# Allegro board rpi-cm4-carrierboard-v1_00-0a.brd (continued)
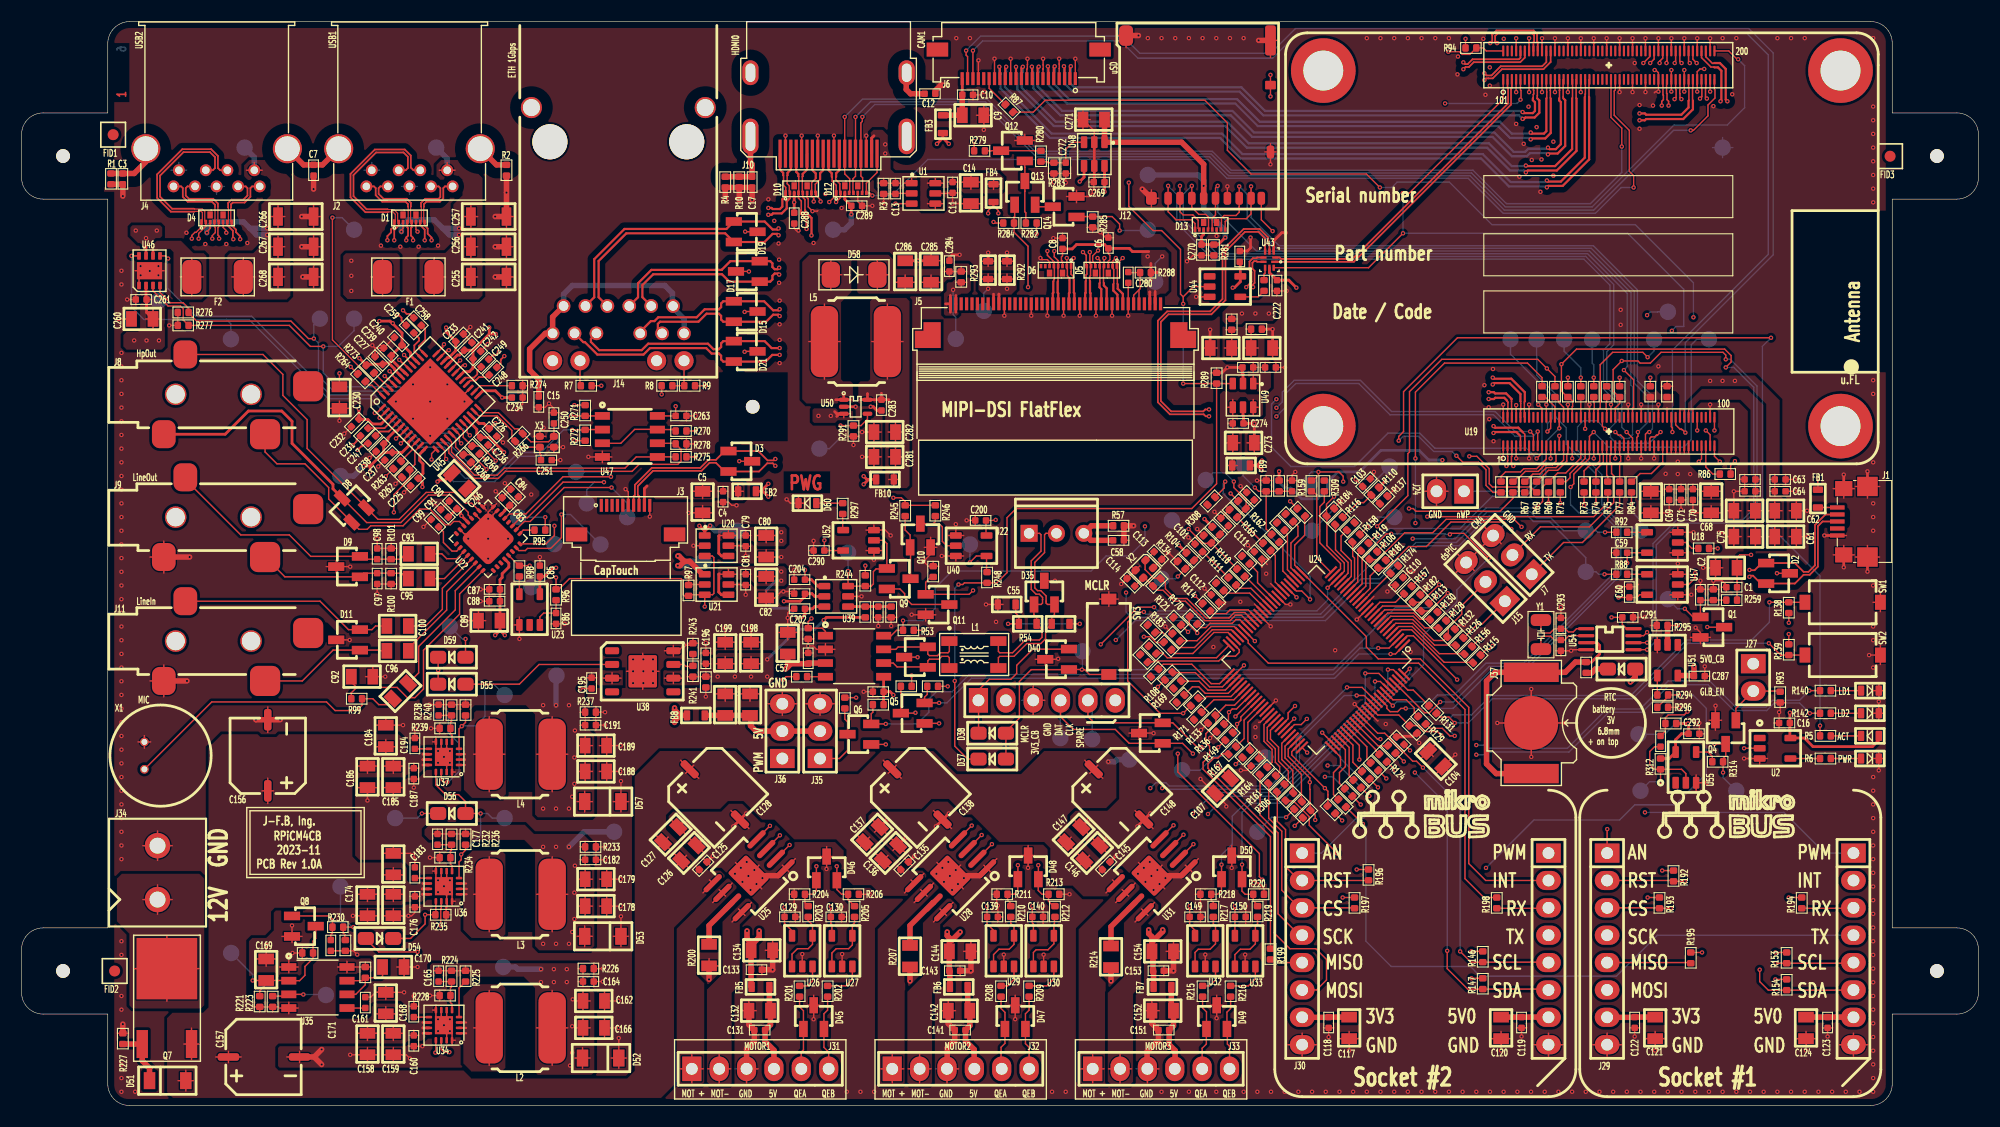
[diagram p0: board, top side]
## Routing (per net, layer and track width the routed paths; a pad name or vN(x,y) marks a point on that pad's centre or on a via; arc(x,y) is an arc through that point) (continued)
  TOP w0.135: v1(154.05,96.75) 153.89,96.91 153.89,97.86 U19.184 ; 74.11,85.96 73.66,85.51 73.66,84.82 73.64,84.8 73.64,84.76 D10.8 73.7,84.5 74.15,84.05 v1(74.15,83.9)
  TOP w0.203: J10.9 74.39,86.81 74.11,86.53 74.11,85.96
  SIG_INNER2 w0.114: v1(154.05,96.75) 154.05,97.15 153.91,97.29 153.91,97.6 153.59,97.92 146.82,97.92 145.15,96.25 145.15,86.15 142.4,83.41 92.36,83.41 90.4,81.45 75.65,81.45 74.31,82.8 74.31,83.4 74.05,83.65 74.05,83.8 v1(74.15,83.9)
HDMI0.D0_P: length 101.2
  TOP w0.135: U19.182 153.5,96.95 153.41,96.86 v1(153.41,96.75) ; v1(73.52,83.9) 73.52,84.21 73.3,84.42 D10.7 73.3,84.94 73.32,84.96 73.32,85.65 73.7,86.03 73.7,86.08
  TOP w0.203: 73.7,86.08 73.7,86.5 73.39,86.81 J10.7
  SIG_INNER2 w0.114: v1(153.41,96.75) 153.41,97.15 153.55,97.29 153.55,97.45 153.44,97.56 146.97,97.56 145.51,96.1 145.51,86.01 142.55,83.05 92.5,83.05 90.55,81.09 75.51,81.09 73.95,82.65 73.95,83.25 73.55,83.65 73.55,83.86 v1(73.52,83.9)
HDMI0.D1_N: length 101.9
  TOP w0.135: U19.178 152.7,96.96 152.65,96.91 v1(152.65,96.75) ; 72.73,83.06 72.73,83.09 72.7,83.12 72.7,84.08 72.5,84.28 D10.5 72.5,84.78 72.46,84.82 72.46,86.19 72.49,86.22 72.49,86.25
  TOP w0.203: 72.49,86.25 72.49,86.46 72.89,86.86 J10.6 ; v1(73.3,80.75) 73.31,80.76 73.31,82.37 73.14,82.54 73.14,82.54 72.73,82.94 72.73,83.06
  SIG_INNER2 w0.114: v1(152.65,96.75) 152.65,96.35 152.5,96.21 152.5,95.5 151.89,94.89 148.4,94.89 147.41,93.9 147.41,85.31 143.75,81.65 93.4,81.65 91.35,79.59 74.85,79.59 73.7,80.75 v1(73.3,80.75)
HDMI0.D1_P: length 101.2
  TOP w0.135: 72.33,83.06 72.33,83.09 72.36,83.12 72.36,83.94 72.1,84.2 D10.4 72.1,84.94 72.12,84.96 72.12,86.2 72.08,86.24 72.08,86.25 ; U19.176 152.3,97.2 152.01,96.91 v1(152.01,96.75)
  TOP w0.203: v1(72.85,81.35) 72.85,82.25 72.33,82.77 72.33,83.06 ; J10.4 71.89,86.65 72.08,86.46 72.08,86.25
  SIG_INNER2 w0.114: v1(152.01,96.75) 152.01,96.35 152.15,96.22 152.15,95.65 151.75,95.25 148.25,95.25 147.05,94.05 147.05,85.45 143.6,82.01 93.26,82.01 91.2,79.95 75,79.95 73.6,81.35 v1(72.85,81.35)
HDMI0.D2_N: length 103.8
  TOP w0.135: 71.08,86.35 71.08,86.32 71.05,86.29 71.05,85.55 71.25,85.35 71.25,84.9 71.3,84.85 D10.2 71.3,84.2 ; v1(151.14,96.75) 151.5,97.11 U19.172
  TOP w0.203: J10.3 71.39,86.86 71.08,86.56 71.08,86.35 ; 71.3,84.2 71.01,83.91 71.01,83.26 70.54,82.79 69.73,82.79 69.6,82.67 v1(69.3,82.67)
  SIG_INNER2 w0.114: v1(69.3,82.67) 69.52,82.67 69.66,82.8 70.15,82.8 70.95,82 73.5,82 75.16,80.34 90.95,80.34 92.95,82.35 143.05,82.35 146.46,85.76 146.46,94.75 147.4,95.69 150.34,95.69 151.14,96.49 v1(151.14,96.75)
HDMI0.D2_P: length 102.5
  TOP w0.135: 70.68,86.35 70.68,86.32 70.71,86.29 70.71,85.41 70.91,85.21 70.91,84.71 D10.1 ; U19.170 151.1,97.35 v1(150.5,96.75)
  TOP w0.203: D10.1 70.9,84.4 70.6,84.1 70.6,83.42 70.38,83.2 69.7,83.2 69.6,83.3 v1(69.3,83.3) ; J10.1 70.39,86.84 70.68,86.56 70.68,86.35
  SIG_INNER2 w0.114: v1(69.3,83.3) 69.57,83.3 69.71,83.16 70.29,83.16 71.09,82.36 73.65,82.36 75.3,80.7 90.8,80.7 92.81,82.71 142.9,82.71 146.1,85.9 146.1,94.9 147.25,96.05 150.2,96.05 150.5,96.35 v1(150.5,96.75)
HDMI0.HPD: length 90.6
  TOP w0.127: J10.19 79.39,86.59 78.4,85.6 D12.8 78.7,84.7 v1(78.95,84.45) ; U19.153 147.9,94.25 147.8,94.15 147.8,91.9 149.2,90.5 149.2,86.7 149.6,86.3 v1(149.6,85.2)
  BOTTOM w0.127: v1(78.95,84.45) 80.75,84.45 84.1,87.8 110.1,87.8 111.85,86.05 134.25,86.05 137.5,82.8 146.05,82.8 148.45,85.2 v1(149.6,85.2)
HDMI0.SCL: length 105.4
  TOP w0.127: v1(77.39,91.75) J10.15 77.39,86.24 77.15,86 77.15,84.75 D12.5 ; v1(159.3,97.1) 159.2,97.1 158.43,97.87 U19.200
  BOTTOM w0.127: v1(77.39,91.75) 78.79,93.15 89.45,93.15 94.3,88.3 110.4,88.3 112.15,86.55 134.55,86.55 137.7,83.4 145.75,83.4 153.35,91 158.3,91 159.9,92.6 159.9,96.5 v1(159.3,97.1)
HDMI0.SDA: length 97.5
  TOP w0.127: D12.7 78.05,84.75 78.05,86.1 77.89,86.26 J10.16 77.89,91.2 78.03,91.33 v1(78.03,91.75) ; U19.199 157.1,94.3 157.15,94.25 157.15,93.5 156.5,92.85 156.5,91.85 155.15,90.5 v1(154.9,90.5)
  BOTTOM w0.127: v1(154.9,90.5) 153.3,90.5 145.9,83.1 137.6,83.1 134.4,86.3 112,86.3 110.25,88.05 94.15,88.05 89.3,92.9 79.17,92.9 v1(78.03,91.75)
HP_GND: length 37.3
  TOP w0.127: U22.4 41.45,54.8 41.45,55.05 39.85,56.65 37.75,56.65 35.2,54.1 32.03,54.1 D8.3
  TOP w0.254: D8.3 28.9,57.23 28.9,57.65 25.1,61.45 25.1,63.5 24.15,64.45 21.05,64.45 18.9,62.3 J8.1
HP_L: length 25.4
  TOP w0.127: U22.6 40.64,54.2 40.1,54.2 39.8,53.9 39.35,53.9 37.9,55.35 36.95,55.35 35.4,53.8 32.4,53.8 32.08,53.48 31.31,53.48 D8.1 28.5,56.29 28.5,57.35 26.3,59.55 23.7,59.55 22.6,60.65 J8.2
HP_R: length 38.1
  TOP w0.127: U22.2 41.77,55.9 41.2,55.9 40.2,56.9 37.55,56.9 35.05,54.4 33.07,54.4 D8.2 26.5,60.97 26.5,63.65 24.25,65.9 24.25,67.85 22.4,69.7 J8.3
I2C0.SCL: length 119.3
  TOP w0.127: v1(153.2,62.5) 153.2,62.89 153.1,62.99 U19.80 ; J6.20 v1(88.29,97.9)
  BOTTOM w0.127: v1(153.2,62.5) 153.2,70.1 162.1,79 162.1,97.5 160.1,99.5 118.4,99.5 116.1,97.2 103.6,97.2 102,98.8 89.19,98.8 v1(88.29,97.9)
I2C0.SDA: length 121.2
  TOP w0.127: U19.82 153.5,63.18 153.9,62.78 154.02,62.78 154.07,62.73 154.12,62.73 v1(154.4,62.45) ; J6.21 87.79,97.35 87.65,97.48 v1(87.65,97.9)
  BOTTOM w0.127: v1(154.4,62.45) 154.4,70.8 162.55,78.95 162.55,97.69 160.29,99.95 118.21,99.95 115.91,97.65 103.79,97.65 102.19,99.25 89,99.25 v1(87.65,97.9)
I2C3.SCL: length 176.8
  TOP w0.127: U54.6 v1(150.85,42.95) ; v1(54.7,58.35) 50.25,58.35 46.8,54.9 45.25,54.9 44.84,54.49 U22.29 ; v1(158.15,68.5) 158.65,69 158.65,69.6 158.05,70.2 144.3,70.2 v1(142.9,68.8) 142.9,66.3 143.45,65.75 R63.2 143.55,65.75 143.94,65.36 143.94,64.89 143.9,64.85 U19.34
  SIG_INNER2 w0.127: v1(142.9,68.8) 142.3,69.4 140.7,69.4 139.95,68.65 139.95,66.15 139.15,65.35 139.15,58.85 138.5,58.2 137.25,58.2 136.3,59.15 126.5,59.15 126.15,59.5 122.4,59.5 118.15,55.25 112.4,55.25 111.6,56.05 109.25,56.05 108.85,55.65 78.45,55.65 75.4,58.7 55.05,58.7 v1(54.7,58.35)
  BOTTOM w0.127: v1(158.15,68.5) 158.9,68.5 160.75,66.65 160.75,55.4 159.7,54.35 153.6,54.35 151.4,52.15 151.4,43.5 v1(150.85,42.95) ; v1(54.7,58.35) 54.25,58.8 TP41.1
I2C3.SDA: length 176.6
  TOP w0.127: U54.5 v1(150.85,42.3) ; U19.54 147.9,64.75 148.3,65.15 R64.2 148.25,65.75 147.7,66.3 147.7,68.3 v1(148.5,69.1) 150,69.1 150.2,68.9 151.15,68.9 152.15,69.9 157.89,69.9 158.15,69.64 v1(158.15,69.25) ; U22.27 45.55,53.8 46.3,54.55 46.95,54.55 50.25,57.85 v1(54.05,57.85)
  SIG_INNER2 w0.127: v1(54.05,57.85) 54.13,57.93 54.87,57.93 55.34,58.4 75.3,58.4 78.35,55.35 108.95,55.35 109.4,55.8 111.45,55.8 112.29,54.96 118.31,54.96 122.6,59.25 125.95,59.25 126.3,58.9 134.55,58.9 134.55,58.9 136.1,58.9 137.05,57.95 138.65,57.95 139.45,58.75 139.45,65.25 140.3,66.1 140.3,68.45 140.9,69.05 141.95,69.05 142.65,68.35 147.75,68.35 v1(148.5,69.1)
  BOTTOM w0.127: TP40.1 52.45,57.15 53.15,57.85 v1(54.05,57.85) ; v1(158.15,69.25) 158.57,69.25 161.05,66.77 161.05,55.28 159.82,54.05 153.72,54.05 151.7,52.03 151.7,43.15 v1(150.85,42.3)
I2S.I2S_COFS: length 122.9
  TOP w0.127: v1(129.35,60.05) 129.35,66.2 132.05,68.9 139.75,68.9 141.1,67.55 R66.2 ; v1(50.1,54.85) 50.1,52.7 49.1,51.7 46.95,51.7 46.75,51.5 46.15,51.5 45.9,51.75 U22.23
  SIG_INNER2 w0.127: v1(50.1,54.85) 50.1,55.1 50.5,55.5 58.95,55.5 59.75,56.3 67,56.3 68.75,54.55 75.6,54.55 76.65,53.5 84.2,53.5 85.55,52.15 89.05,52.15 91.5,49.7 109.1,49.7 112.1,52.7 122.56,52.7 124.21,54.35 128.4,54.35 128.7,54.05 v1(129.35,54.05)
  BOTTOM w0.127: TP45.1 50.94,54.85 v1(50.1,54.85) ; v1(129.35,54.05) v1(129.35,60.05)
I2S.I2S_DIN: length 109.2
  TOP w0.127: R95.2 v1(48.6,54.6) ; U19.27 v1(142.7,62.15)
  SIG_INNER2 w0.127: v1(142.7,62.15) 142.7,61.6 142.6,61.5 142.6,59.5 138.8,55.7 135.65,55.7 135.2,55.25 129.45,55.25 129.15,54.95 123.82,54.95 122.17,53.3 111.82,53.3 108.82,50.3 91.9,50.3 89.35,52.85 86,52.85 84.75,54.1 77.25,54.1 76.05,55.3 69.05,55.3 67.35,57 59.5,57 58.6,56.1 49.55,56.1 48.6,55.15 v1(48.6,54.6)
  BOTTOM w0.127: TP43.1 46.11,54.6 v1(48.6,54.6)
I2S.I2S_DOUT: length 104.5
  TOP w0.127: v1(128.75,55.4) 129.14,55.4 129.39,55.15 137.2,55.15 138.4,56.35 R62.1 ; U22.26 45.9,53.45 46.65,54.2 47.2,54.2 50.35,57.35 v1(54.75,57.35)
  SIG_INNER2 w0.127: v1(128.75,55.4) 127.85,55.4 127.7,55.25 123.65,55.25 122,53.6 111.7,53.6 108.7,50.6 92.1,50.6 89.5,53.2 86.2,53.2 85,54.4 77.55,54.4 76.25,55.7 69.15,55.7 67.5,57.35 59.45,57.35 58.5,56.4 55.2,56.4 54.75,56.85 v1(54.75,57.35)
  BOTTOM w0.127: v1(54.75,57.35) 56.2,55.9 TP42.1
I2S.I2S_SCLK: length 112
  TOP w0.127: v1(49.45,53.8) 49.45,52.9 48.67,52.12 U22.24 ; v1(130.45,54.65) 145.9,54.65 147.2,55.95 R75.1
  SIG_INNER2 w0.127: v1(49.45,53.8) 49.45,55.15 50.1,55.8 58.75,55.8 59.6,56.65 67.2,56.65 68.95,54.9 75.8,54.9 76.9,53.8 84.45,53.8 85.75,52.5 89.2,52.5 91.7,50 108.95,50 111.95,53 122.37,53 124.02,54.65 v1(130.45,54.65)
  BOTTOM w0.127: v1(49.45,53.8) TP44.1
ICSPCLK: length 32.5
  TOP w0.127: U24.77 121.1,34.2 121.1,34.2 v1(120.7,34.6) ; v1(109.5,33.25) 109.1,33.25 106.84,35.51 D39.2 99.54,35.51 98.96,36.09 J28.5
  SIG_INNER2 w0.127: v1(109.5,33.25) 110.3,33.25 112.95,30.6 116.31,30.6 120.31,34.6 v1(120.7,34.6)
  BOTTOM w0.127: TP66.1 99.35,37.21 J28.5
ICSPDAT: length 32
  TOP w0.127: J28.4 96.42,36.08 97.6,34.9 101.5,34.9 102.79,33.61 D39.1 107.74,33.61 v1(108.7,32.65) ; U24.75 v1(119.3,32.75)
  SIG_INNER2 w0.127: v1(108.7,32.65) 109.09,32.65 111.44,30.3 116.45,30.3 118.9,32.75 v1(119.3,32.75)
  BOTTOM w0.127: TP65.1 96.4,37.58 J28.4
JTAG.DSPIC_TDI: length 36.8
  TOP w0.127: v1(131.65,37.45) 130.65,36.45 130.2,36.45 127.49,39.16 U24.97 ; R73.1 v1(145,55.7)
  BOTTOM w0.127: v1(131.65,37.45) 132.9,37.45 136.2,40.75 139.5,40.75 148.15,49.4 148.15,53.85 146.7,55.3 145.4,55.3 v1(145,55.7)
JTAG.RTCK: length 18.6
  TOP w0.127: R74.1 v1(146.1,55.85)
  BOTTOM w0.127: TP2.1 140.6,67.8 142.35,66.05 142.35,63.9 143.35,62.9 143.35,61.35 146.1,58.6 v1(146.1,55.85)
JTAG.TCK: length 64.5
  TOP w0.127: v1(127.25,37.1) 126.32,38.03 U24.93 ; v1(143.75,57.4) 144.05,57.7 144.05,58.6 145.5,60.05 U19.41 145.5,62.1 v1(145.9,62.5)
  BOTTOM w0.127: v1(143.75,57.4) 143.75,55.75 144.5,55 146.6,55 147.9,53.7 147.9,49.55 139.4,41.05 135.9,41.05 132.95,38.1 131.4,38.1 130.75,37.45 127.6,37.45 v1(127.25,37.1) ; TP4.1 155.47,71.12 154.95,70.6 154.95,61.8 154.25,61.1 147.3,61.1 v1(145.9,62.5)
JTAG.TDI: length 4.3
  TOP w0.127: R163.1 v1(117.35,26.75)
  BOTTOM w0.127: v1(117.35,26.75) 116.03,26.75 TP6.1
JTAG.TDO: length 11.8
  TOP w0.127: v1(141.6,62.55) 141.9,62.85 U19.24
  BOTTOM w0.127: TP1.1 138.18,69.72 142.05,65.85 142.05,63.75 141.6,63.3 v1(141.6,62.55)
JTAG.TMS: length 62.7
  TOP w0.127: v1(146.95,62.8) 146.7,63.05 U19.48 ; v1(128.45,36.85) 128,36.85 127.7,36.55 127,36.55 126.7,36.85 126.7,37.09 U24.92
  SIG_INNER2 w0.127: v1(150.85,73.35) 150.25,72.75 150.25,67.85 148.5,66.1 147.55,66.1 146.95,65.5 v1(146.95,62.8)
  BOTTOM w0.127: v1(150.85,73.35) 151.15,73.65 151.82,73.65 151.83,73.66 TP3.1 ; v1(146.95,62.8) 146.2,63.55 144.95,63.55 144.4,63 144.4,60.8 146.65,58.55 146.65,55.75 148.4,54 148.4,49.25 139.55,40.4 136.4,40.4 132.85,36.85 v1(128.45,36.85)
JTAG.TRST: length 11.9
  TOP w0.127: v1(150.9,69.45) 150.45,69.9 147.65,69.9 146.5,68.75 146.5,64.76 146.3,64.56 U19.46
  BOTTOM w0.127: TP5.1 151.5,70.05 v1(150.9,69.45)
L_IN_L: length 12.5
  TOP w0.127: J11.2 26.05,39.4 28.91,42.26 D11.1 33.15,42.26 33.21,42.2 C96.2
L_IN_R: length 19.9
  TOP w0.127: J11.3 27.7,46.8 30.34,44.16 D11.2 32.51,44.16 32.85,44.5 C100.2
L_OUT_L: length 14.4
  TOP w0.127: C95.1 35.75,48.9 35.25,49.4 R100.2 C97.1 31.74,49.4 D9.1 24.44,49.06 J9.2
L_OUT_R: length 24.2
  TOP w0.127: C93.1 35.65,51.2 35.15,50.7 R101.2 C98.1 31.66,50.7 D9.2 26.84,50.96 24.85,52.95 20.35,52.95 15.2,58.1 J9.3
LED1: length 56.4
  TOP w0.127: 117.41,34.64 118.12,35.35 118.75,35.35 v1(119.28,35.88) ; R140.1 v1(165.9,38.5)
  SIG_INNER2 w0.127: v1(135,33.45) 132.9,33.45 132.55,33.8 132.55,34.6 132.15,35 130.35,35 130.2,34.85 126.2,34.85 125.35,35.7 123.3,35.7 122.55,36.45 119.85,36.45 v1(119.28,35.88)
  BOTTOM w0.127: v1(135,33.45) 135.85,33.45 136.15,33.15 143.45,33.15 147.1,36.8 150.2,36.8 152.8,39.4 156.65,39.4 159.1,36.95 161.85,36.95 162.5,37.6 165,37.6 v1(165.9,38.5)
LED2: length 53.2
  TOP w0.127: v1(124.15,32.1) 124.15,33.41 122.93,34.64 ; R142.1 v1(165.95,36.4)
  SIG_INNER2 w0.127: v1(135,32.55) 134.45,33.1 132.7,33.1 132.25,33.55 132.25,34.45 131.95,34.75 130.55,34.75 130.35,34.55 125.8,34.55 124.15,32.9 v1(124.15,32.1)
  BOTTOM w0.127: v1(135,32.55) 135.9,32.55 136.15,32.8 143.59,32.8 147.29,36.5 150.4,36.5 152.94,39.05 156.5,39.05 158.91,36.65 161.95,36.65 162.65,37.35 165,37.35 v1(165.95,36.4)
LED+: length 9.7
  TOP w0.127: 87.2,75.92 R290.1 ; R290.1 87.73,76.4 ; R290.1 86.67,76.4
  TOP w0.254: J5.1 86.2,75.18 ; J5.1 86.2,73.62 ; J5.1 85.75,74.4 ; 86.7,75.18 J5.2 86.7,73.62
  BOTTOM w0.127: TP13.1 86.7,73.15 86.45,73.4 v1(86.45,75.7)
LED-: length 10.8
  TOP w0.127: R292.1 91.45,77.18 ; R292.1 90.8,76.7 ; R292.1 91.45,76.22 ; R292.1 92.1,76.7 ; 89.05,76.7 R293.1 ; R293.1 89.7,76.22 ; R293.1 89.7,77.18 ; R293.1 90.35,76.7 ; 76.93,64.2 U50.3 76.3,63.82
  TOP w0.254: 75.45,64.4 75.65,64.2 75.9,64.2 ; 75.65,63.95 75.9,64.2 ; 75.9,64.2 U50.3 ; 90.7,75.3 J5.10 ; J5.9 90.2,75.3
  BOTTOM w0.127: v1(89.7,75.8) 89.3,75.4 TP12.1
  vias: v1(73.95,64) v1(75.1,64) v1(91.45,75.8)
MCLRN: length 63
  TOP w0.127: U24.10 125.75,45.25 126.5,46 129.23,46 129.3,45.93 129.86,45.93 R113.2 130.69,45.89 v1(132.35,47.55) ; D37.1 D38.1 91.35,34.7 92.6,35.95 92.6,39.35 93.7,40.45 97.19,40.45 D40.1 98.39,40.46 v1(98.4,40.45) 98.65,40.45 99.1,40 SW3.2 100.95,40
  BOTTOM w0.127: TP57.1 98.45,40.45 ; 98.45,40.45 121.75,40.45 127.5,46.2 131,46.2 v1(132.35,47.55) ; 98.45,40.45 v1(98.4,40.45)
MIC_IN: length 27.2
  TOP w0.127: C94.2 33.9,37.2 33.15,37.2 32.6,37.75 R99.2 31.6,37.15 31.1,36.65 29.1,36.65 28.3,37.45 17.65,37.45 X1.1
MKB1.AN: length 33.9
  TOP w0.127: v1(133.22,39.52) 129.16,43.59 128.59,43.59 128.02,43.02 U24.2 ; J29.1 147.14,25.64 v1(147.15,25.65)
  SIG_INNER2 w0.127: v1(133.22,39.52) 136.39,36.35 144.75,36.35 147.15,33.95 v1(147.15,25.65)
MKB1.CSN: length 45.7
  TOP w0.127: v1(153.05,18.3) R193.2 151.96,18.34 J29.3 ; R156.1 v1(135.35,43.35)
  SIG_INNER2 w0.127: v1(153.05,18.3) 150.95,18.3 149.3,19.95 149.3,25.9 147.85,27.35 147.85,35.55 145.65,37.75 136.9,37.75 135.35,39.3 v1(135.35,43.35)
MKB1.INT: length 67.3
  TOP w0.127: U24.17 124.44,47.89 124.75,48.2 124.75,50.35 R106.2 125.13,50.66 125.86,50.66 128.35,53.15 130.95,53.15 132.2,54.4 138.5,54.4 v1(139.2,53.7)
  SIG_INNER2 w0.127: J29.15 166.97,20.88 152.25,35.6 152.25,39.3 144.55,47 144.55,47.75 139.2,53.1 v1(139.2,53.7)
MKB1.MISO: length 56.3
  TOP w0.127: v1(131.55,48.35) 129.9,46.7 R182.1 128.75,46.35 126.3,46.35 125.48,45.53 U24.11 ; R195.1 v1(155.95,14.2)
  SIG_INNER2 w0.127: v1(155.95,14.2) 155.95,22.7 150.05,28.6 150.05,36.2 144.85,41.4 140.2,41.4 133.25,48.35 v1(131.55,48.35)
MKB1.MOSI: length 64.3
  TOP w0.127: R157.1 v1(130.15,49.35)
  SIG_INNER2 w0.127: J29.6 155.64,10.72 156.5,11.58 156.5,22.65 150.35,28.8 150.35,36.45 145.1,41.7 140.4,41.7 132.75,49.35 v1(130.15,49.35)
MKB1.PWM: length 51.9
  TOP w0.127: R128.1 v1(132.85,45.65)
  SIG_INNER2 w0.127: v1(150.65,27.2) 149.7,28.15 149.7,36.05 144.65,41.1 140,41.1 135.45,45.65 v1(132.85,45.65)
  BOTTOM w0.127: v1(150.65,27.2) 163.55,27.2 167.33,23.42 J29.16
MKB1.RSTN: length 44.2
  TOP w0.127: J29.2 153.22,20.88 R192.2 v1(154.35,20.8) ; R115.1 135.97,42.37 136.22,42.37 v1(136.5,42.65)
  SIG_INNER2 w0.127: v1(136.5,42.65) 136.5,38.8 137.2,38.1 145.75,38.1 148.2,35.65 148.2,27.5 149.65,26.05 149.65,23.4 152.25,20.8 v1(154.35,20.8)
MKB1.RX: length 64.2
  TOP w0.127: v1(164,19.3) R194.2 ; U24.16 124.09,46.94 125.15,48 125.15,49.15 R181.1 125.94,49.86 126.71,49.86 128.72,51.88 130.38,51.88 132.65,54.15 137.6,54.15 v1(138.25,53.5)
  SIG_INNER2 w0.127: v1(138.25,53.5) 144.15,47.6 144.15,46.85 151.8,39.2 151.8,35.5 164,23.3 v1(164,19.3)
MKB1.SCK: length 45.1
  TOP w0.127: R130.1 v1(132.05,46.45)
  SIG_INNER2 w0.127: v1(132.05,46.45) 132.05,44.05 134.9,41.2 134.9,39.2 136.8,37.3 145.45,37.3 147.5,35.25 147.5,27.2 148.95,25.75 148.95,16.45 148.3,15.8 J29.4
MKB1.SCL: length 75.6
  TOP w0.127: J29.12 169.94,13.2 R153.2 v1(162.75,13.2) ; U24.69 v1(118.1,35.9)
  SIG_INNER2 w0.127: v1(118.1,35.9) 118.96,36.75 122.55,36.75 122.55,36.75 122.67,36.75 123.42,36 134.02,36 144.3,25.72 144.3,10.42 145.42,9.3 155.93,9.3 158.78,12.15 161.7,12.15 v1(162.75,13.2)
MKB1.SDA: length 77.3
  TOP w0.127: U24.68 117.54,35.9 117.54,36.44 v1(118.17,37.08) ; v1(161.3,12.6) 161.3,11.5 162.1,10.7 R154.2 169.98,10.7 J29.11
  SIG_INNER2 w0.127: v1(118.17,37.08) 122.78,37.08 123.55,36.3 134.15,36.3 144.6,25.85 144.6,10.55 145.55,9.6 155.8,9.6 158.8,12.6 v1(161.3,12.6)
MKB1.TX: length 61.4
  TOP w0.127: v1(124.47,26.12) R175.1
  BOTTOM w0.127: v1(124.47,26.12) 124.75,25.85 124.75,15.25 127.1,12.9 134.45,12.9 135.35,12 148,12 151.8,15.8 J29.13
MKB2.AN: length 56
  TOP w0.127: U24.18 124.4,48.42 124.4,50.8 126.65,53.05 v1(127.1,53.05) ; v1(136.15,50.8) 133.85,53.1 132.65,53.1 v1(132.55,53)
  BOTTOM w0.127: J30.1 120.62,23.42 123.9,26.7 124.55,26.7 125.6,27.75 125.6,29 122.35,32.25 122.35,33.15 130.1,40.9 130.1,43.65 133.2,46.75 133.2,47.85 v1(136.15,50.8) ; v1(127.1,53.05) 132.11,53.05 132.16,53 v1(132.55,53)
MKB2.CSN: length 17.9
  TOP w0.127: R197.2 123.66,18.34 J30.3 118.59,18.34 116.95,19.98 116.95,25.45 115.74,26.66 115.74,29.86 R161.1
MKB2.INT: length 49.7
  TOP w0.127: J30.15 135.87,20.88 134.3,22.45 134.3,36.95 129.8,41.45 125.9,41.45 124.8,42.55 124.8,43.51 U24.26 118.81,49.49 118.15,50.15 118.15,52 119.07,52.92 119.07,54.66 R148.2
MKB2.MISO: length 28.8
  TOP w0.127: R199.1 115.9,24.95 109.65,31.2 109.65,31.85 110.25,32.45 110.25,33.35 109.9,33.7 109.9,34.5 110.84,35.44 110.84,36.16 R133.1 111.75,37.15 112.57,37.15 U24.57
MKB2.MOSI: length 31.2
  TOP w0.127: R167.1 111.96,32.64 111.41,32.64 111.03,32.25 110.65,32.25 110.1,31.7 110.1,31.3 116.25,25.15 116.25,16 117.7,14.55 120.1,14.55 121.1,13.55 121.1,11.65 120.17,10.72 J30.6 118.59,10.72
MKB2.PWM: length 26.9
  TOP w0.127: R173.1 117.34,28.26 118.04,28.26 119.5,26.8 119.5,26 v1(122.1,23.4)
  SIG_INNER2 w0.127: J30.16 140.43,23.42 140.41,23.4 v1(122.1,23.4)
MKB2.RSTN: length 15.5
  TOP w0.127: R196.2 124.98,20.88 J30.2 118.59,20.88 117.3,22.17 117.3,25.6 116.54,26.36 116.54,29.06 R306.1
MKB2.RX: length 49.7
  TOP w0.127: R183.1 107.54,43.14 109.09,43.14 110.4,44.45 112.55,44.45 U24.46 113.83,43.17 113.83,42.92 115.7,41.05 129.65,41.05 133.95,36.75 133.95,21.05 135.7,19.3 R198.2
MKB2.SCK: length 16.7
  TOP w0.127: J30.4 118.59,15.8 116.6,17.79 116.6,25.3 114.94,26.96 114.94,30.66 R164.1
MKB2.SCL: length 34.8
  TOP w0.127: v1(130.05,31.35) 129.45,31.95 129.1,31.95 126.5,34.55 125.84,34.55 U24.86 ; J30.12 141.66,13.3 R146.2 134.5,13.3 v1(133.5,14.3)
  BOTTOM w0.127: v1(133.5,14.3) 133.5,27.9 v1(130.05,31.35)
MKB2.SDA: length 37.5
  TOP w0.127: v1(132.3,14.35) 132.3,12.7 134.2,10.8 R147.2 141.62,10.8 J30.11 ; U24.85 125.83,34 v1(126.1,34)
  SIG_INNER2 w0.127: v1(126.1,34) 127.4,32.7 128.45,32.7 128.85,32.3 128.85,31.35 v1(129.3,30.9)
  BOTTOM w0.127: v1(132.3,14.35) 132.3,27.9 v1(129.3,30.9)
MKB2.TX: length 57.4
  TOP w0.127: v1(109.1,43.85) 108.36,44.59 108.36,45.36 R170.1 ; v1(115.15,20.95) 114.87,21.23 114.87,23.38 107.3,30.95 v1(107.3,32.65)
  SIG_INNER2 w0.127: v1(115.15,20.95) 116.4,20.95 117.75,19.6 120.5,19.6 124.3,15.8 J30.13 ; v1(109.1,43.85) 109.1,36.25 107.3,34.45 v1(107.3,32.65)
MOTOR1.FAULTN: length 63.2
  TOP w0.127: v1(120.05,26.5) 120.05,26.95 119.61,27.39 R109.2 119.57,27.44 119.57,29.33 119.55,29.36 v1(119.55,30) 119.55,30.39 117.55,32.39 117.55,33.08 U24.73 ; v1(69.45,25.95) 68.21,24.71 U25.4
  SIG_INNER2 w0.127: v1(119.55,30) 119.16,30 118.96,29.8 107.15,29.8 105.9,31.05 75.95,31.05 70.85,25.95 v1(69.45,25.95)
MOTOR1.PWMH: length 61.6
  TOP w0.127: U25.2 70,22.9 v1(71.28,24.18) ; R127.1 v1(124.28,27.93)
  SIG_INNER2 w0.127: v1(71.28,24.18) 71.28,25.52 76.2,30.45 105.7,30.45 106.95,29.2 119.95,29.2 120.67,29.92 120.67,30.22 v1(120.95,30.5)
  BOTTOM w0.127: v1(120.95,30.5) 121.7,30.5 v1(124.28,27.93)
MOTOR1.PWML: length 62.8
  TOP w0.127: U25.3 69.1,23.8 v1(70.38,25.07) ; R103.1 v1(125.08,28.73)
  SIG_INNER2 w0.127: v1(121.2,31.55) 120.25,30.6 120.25,30 119.75,29.5 107.05,29.5 105.8,30.75 76.05,30.75 v1(70.38,25.07)
  BOTTOM w0.127: v1(121.2,31.55) 122.25,31.55 v1(125.08,28.73)
MOTOR1.QEIA: length 67.9
  TOP w0.127: v1(123.9,38.05) 124.6,38.05 125.47,37.18 U24.90 ; R203.2 72.7,18.8 R204.1 73.4,19.6 73.75,19.95 73.75,20.89 73.76,20.9 v1(73.76,22.2)
  SIG_INNER2 w0.127: v1(73.76,22.2) 73.76,26.86 77.05,30.15 105.15,30.15 v1(105.85,29.45)
  BOTTOM w0.127: v1(123.9,38.05) 122.75,38.05 118.6,33.9 118.6,31.85 116.1,29.35 106.34,29.35 106.24,29.45 v1(105.85,29.45)
MOTOR1.QEIB: length 67.3
  TOP w0.127: v1(75.65,22.2) 75.66,22.19 D46.2 75.66,20.04 76.1,19.6 R206.1 76.7,19.1 R205.2 ; U24.91 125.73,37.47 124.4,38.8 v1(123,38.8)
  SIG_INNER2 w0.127: v1(104.75,29.45) 104.35,29.85 77.7,29.85 75.65,27.8 v1(75.65,22.2)
  BOTTOM w0.127: v1(123,38.8) 118.3,34.1 118.3,32.05 115.9,29.65 106.5,29.65 106.2,29.95 105.25,29.95 v1(104.75,29.45)
MOTOR2.FAULTN: length 43.4
  TOP w0.127: v1(88.17,25.98) 86.91,24.71 U28.4 ; R150.2 121.23,27.84 121.23,28.82 121.23,29.17 v1(120.95,29.45) 117.88,32.52 117.88,32.84 U24.74
  SIG_INNER2 w0.127: v1(88.17,25.98) 88.78,25.98 91.7,28.9 120.4,28.9 v1(120.95,29.45)
MOTOR2.PWMH: length 41.5
  TOP w0.127: U28.2 88.7,22.9 v1(90.05,24.25) ; R117.1 v1(125.88,29.52)
  SIG_INNER2 w0.127: v1(125.88,29.52) 123.33,29.52 122.1,28.3 93.3,28.3 90.05,25.05 v1(90.05,24.25)
MOTOR2.PWML: length 42.7
  TOP w0.127: R120.1 v1(126.65,30.35) ; U28.3 87.8,23.8 v1(89.1,25.1)
  SIG_INNER2 w0.127: v1(126.65,30.35) 123.65,30.35 121.9,28.6 92.55,28.6 89.38,25.43 89.38,25.38 v1(89.1,25.1)
MOTOR2.QEIA: length 50.5
  TOP w0.127: v1(125.6,39.35) 126.1,39.35 126.85,38.6 U24.95 ; R210.2 91.8,18.75 91.5,19.05 R211.1 92.1,19.6 92.45,19.95 92.45,20.99 92.46,21 v1(92.46,22.3)
  SIG_INNER2 w0.127: v1(92.46,22.3) 92.46,26.41 94.05,28 109.15,28 v1(110.1,27.05)
  BOTTOM w0.127: v1(110.1,27.05) 111.75,28.7 116.45,28.7 125.6,37.85 v1(125.6,39.35)
MOTOR2.QEIB: length 50.3
  TOP w0.127: v1(124.7,40.1) 125.95,40.1 U24.96 ; R212.2 95.75,18.5 95.3,18.95 R213.1 94.7,19.6 94.35,19.95 94.35,20.99 D48.2 94.36,22.29 v1(94.35,22.3)
  SIG_INNER2 w0.127: v1(94.35,22.3) 94.35,26.75 95.3,27.7 108.1,27.7 v1(108.7,27.1)
  BOTTOM w0.127: v1(108.7,27.1) 110.65,29.05 116.4,29.05 124.7,37.35 v1(124.7,40.1)
MOTOR3.FAULTN: length 44.7
  TOP w0.127: v1(106.9,26) 105.61,24.71 U31.4 ; U24.89 125.85,36.24 127.81,36.24 R145.2 129.64,35.26 130.2,34.7 131.4,34.7 v1(131.75,34.35)
  SIG_INNER2 w0.127: v1(106.9,26) 106.9,23.8 107.95,22.75 109.9,22.75 112,24.85 127.25,24.85 131.75,29.35 v1(131.75,34.35)
MOTOR3.PWMH: length 27.3
  TOP w0.127: v1(108.75,24.25) 107.4,22.9 U31.2 ; R124.1 v1(127.47,31.12)
  SIG_INNER2 w0.127: v1(127.47,31.12) 127.75,30.85 127.75,27.1 126.1,25.45 111.65,25.45 110.45,24.25 v1(108.75,24.25)
MOTOR3.PWML: length 31.5
  TOP w0.127: R125.1 v1(128.28,31.93) ; U31.3 106.5,23.8 v1(107.83,25.12)
  SIG_INNER2 w0.127: v1(107.83,25.12) 107.83,23.82 108.4,23.25 109.9,23.25 111.8,25.15 126.5,25.15 128.28,26.93 v1(128.28,31.93)
MOTOR3.QEIA: length 32.3
  TOP w0.127: v1(126.8,40.45) 127.3,40.45 128.02,39.73 U24.99 ; v1(111.35,22.35) 111.36,22.34 D50.1 111.35,20.99 111.35,19.95 111,19.6 R218.1 110.4,19.05 110.6,18.85 R217.2
  BOTTOM w0.127: v1(111.35,22.35) 111.35,23.25 112.35,24.25 112.35,26.85 113.9,28.4 116.6,28.4 126.8,38.6 v1(126.8,40.45)
MOTOR3.QEIB: length 31.8
  TOP w0.127: v1(113.26,22.35) D50.2 113.25,20.99 113.25,19.9 113.55,19.6 R220.1 114.3,19 114.7,18.6 R219.2 ; v1(128.82,40.53) U24.100
  BOTTOM w0.127: v1(128.82,40.53) 128.82,40.12 116.75,28.05 114.1,28.05 113.26,27.21 v1(113.26,22.35)
N1804470_MOTOR4: length 4.8
  TOP w0.508: R200.2 63.8,16.7 U25.7
N1804470_MOTOR5: length 5
  TOP w0.508: 82.45,14.75 R207.2 82.45,16.7 84.58,18.83 U28.7
N1804470_MOTOR6: length 5
  TOP w0.508: U31.7 101.1,16.6 R214.2
N1804690_MOTOR4: length 2.7
  TOP w0.127: R201.2 72.95,11.1 73.4,11.55 U26.3
N1804690_MOTOR5: length 2.6
  TOP w0.127: U29.3 92.1,11.7 91.5,11.1 R208.2
N1804690_MOTOR6: length 2.7
  TOP w0.127: U32.3 110.8,11.65 110.25,11.1 R215.2
N1804772_MOTOR4: length 6.1
  TOP w0.127: U26.1 71.5,14.05 72,14.55 73,14.55 73.4,14.95 U26.4 73.4,16.75 73,17.15 R203.1
N1804772_MOTOR5: length 6.1
  TOP w0.127: R210.1 91.8,16.9 92.1,16.6 U29.4 92.1,14.95 91.65,14.5 90.7,14.5 90.2,14 U29.1
N1804772_MOTOR6: length 6.1
  TOP w0.127: R217.1 110.6,16.85 110.8,16.65 U32.4 110.8,15 110.3,14.5 109.2,14.5 108.9,14.2 U32.1
N1804818_MOTOR4: length 3.7
  TOP w0.127: U27.3 77.1,11.7 76.5,11.1 R202.2
N1804818_MOTOR5: length 3.7
  TOP w0.127: U30.3 95.8,11.75 95.15,11.1 R209.2
N1804818_MOTOR6: length 3.7
  TOP w0.127: U33.3 114.5,11.75 113.85,11.1 R216.2
N1805192_MOTOR4: length 6.1
  TOP w0.127: R205.1 77.3,16.95 77.1,16.75 U27.4 77.1,14.9 76.75,14.55 75.6,14.55 75.2,14.15 U27.1
N1805192_MOTOR5: length 6.1
  TOP w0.127: U30.1 93.9,14.2 94.15,14.45 95.25,14.45 95.8,15 U30.4 95.8,16.8 95.85,16.85 95.85,17.45 R212.1
